# KiCad board for_real_486_rc13.kicad_pcb (continued)
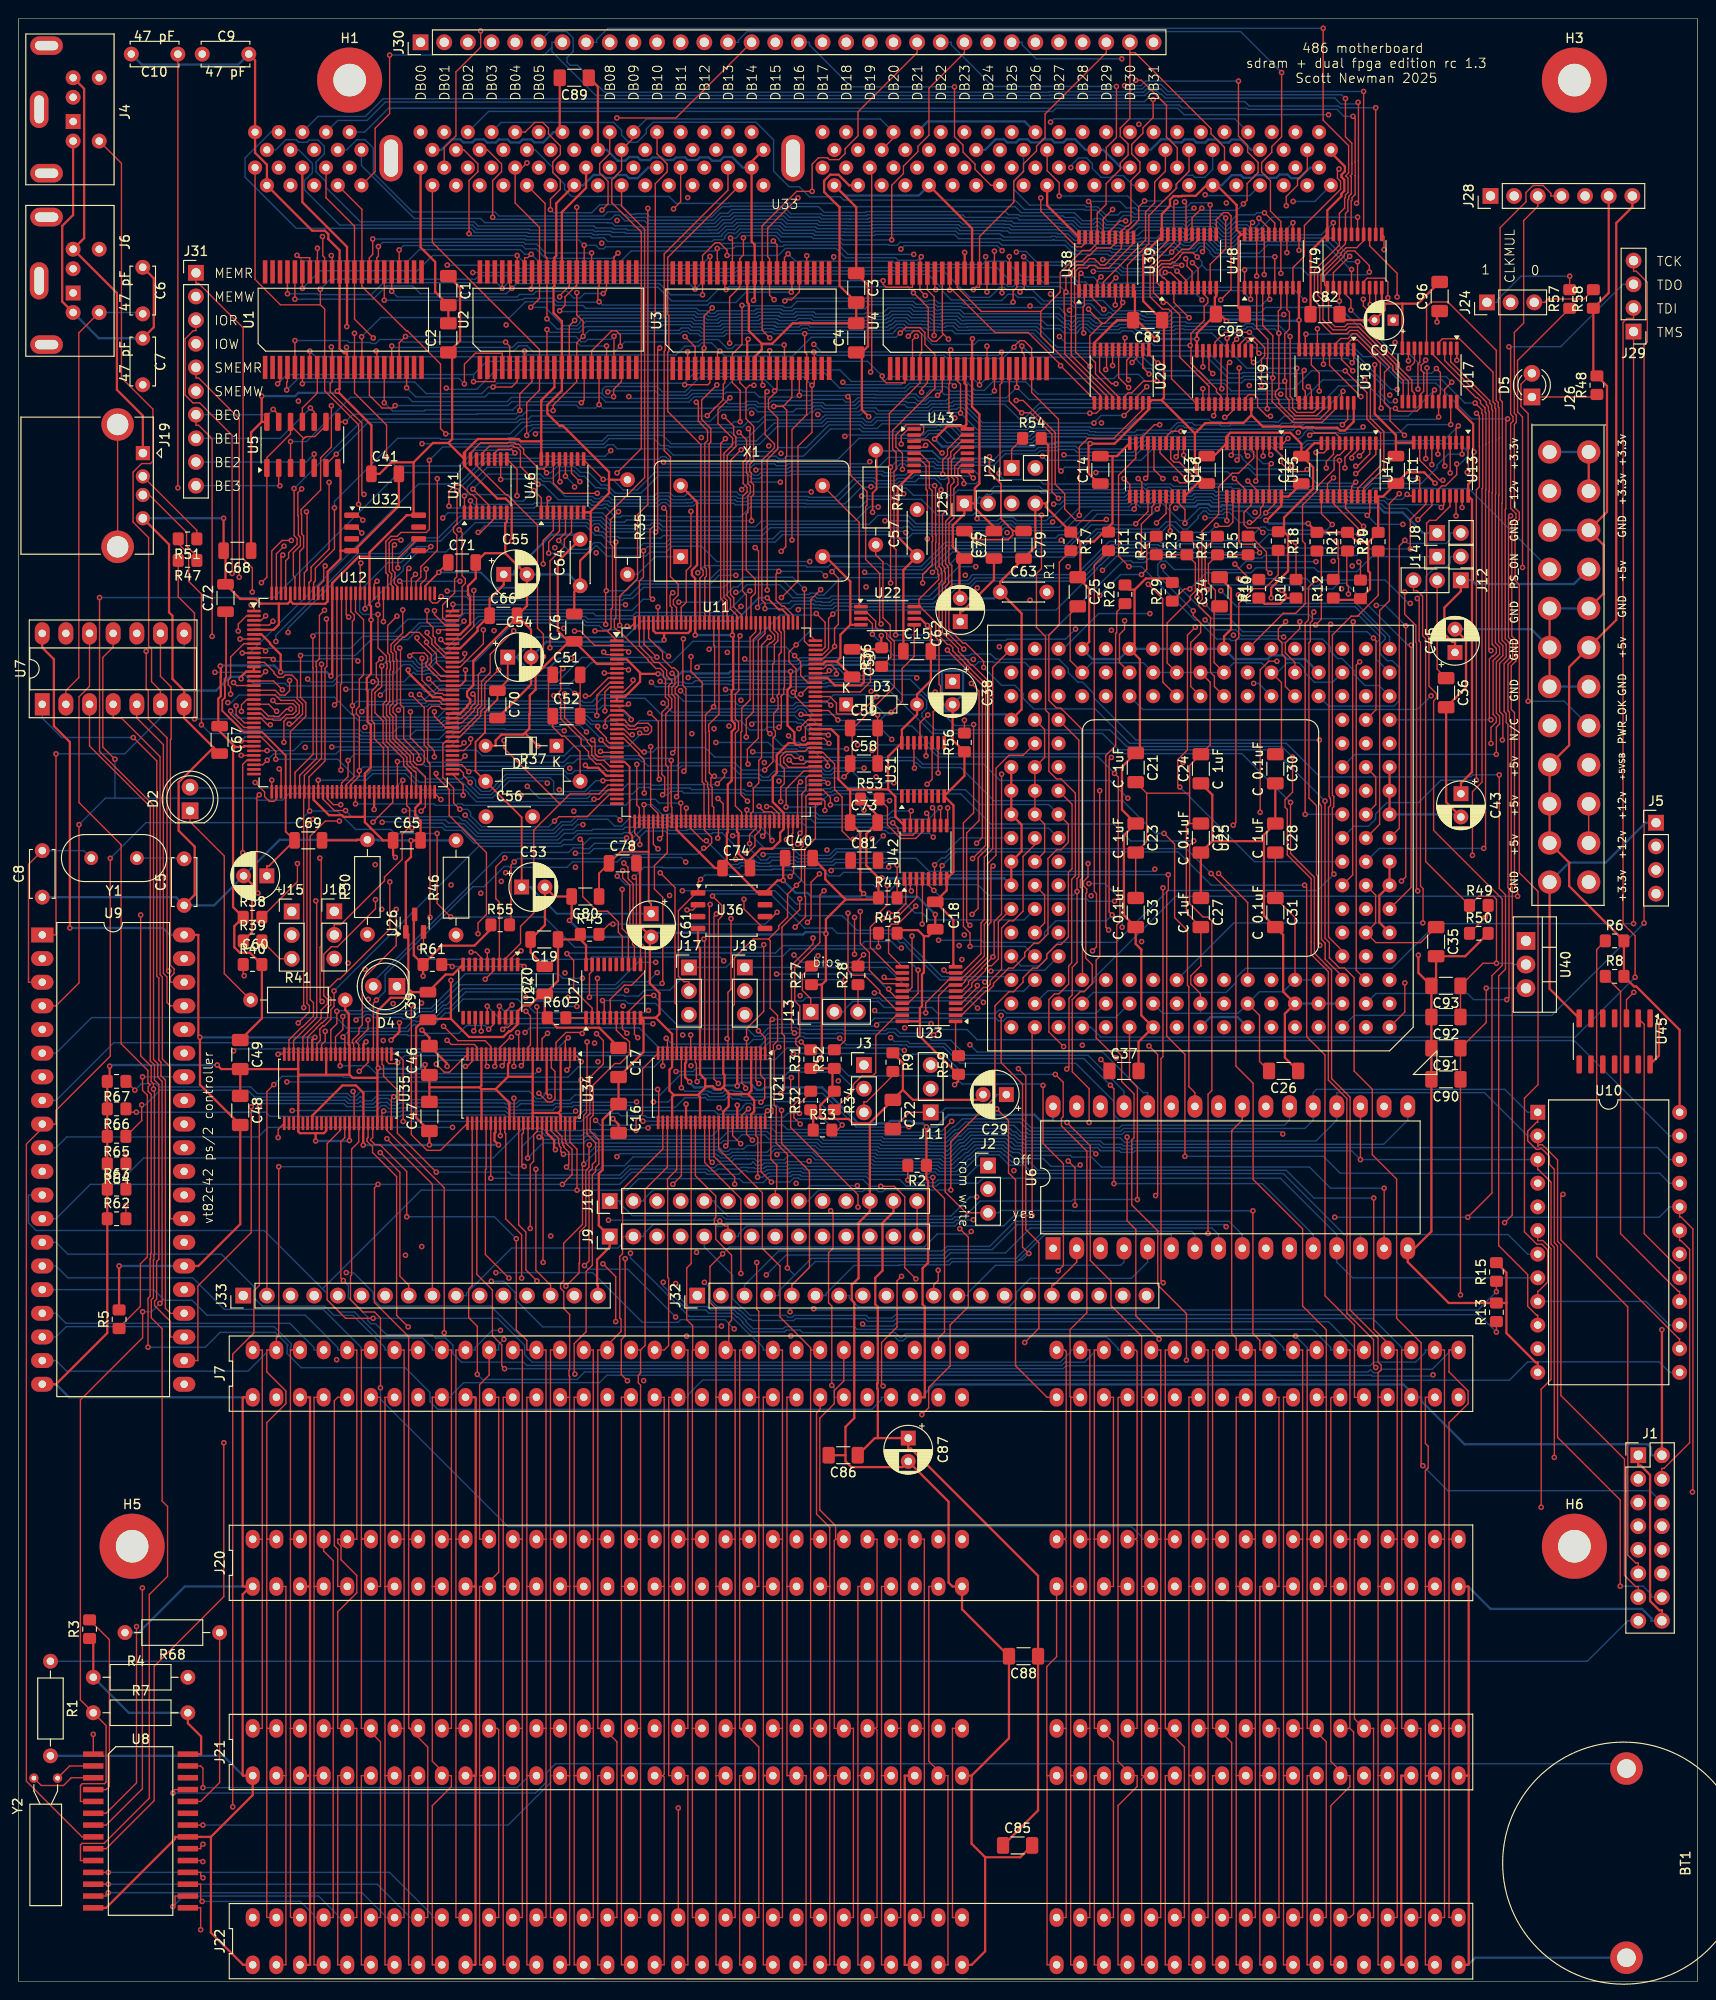
[diagram p0: board, top side]
## Routing (per net, layer and track width the routed paths; a pad name or vN(x,y) marks a point on that pad's centre or on a via; arc(x,y) is an arc through that point) (continued)
  In1.Cu w0.15: v1(59.64,125.69) 61.48,127.53 61.48,131.45 v1(58.6,134.33)
  In2.Cu w0.15: v1(59.64,125.69) 58.48,124.53 58.48,114.79 56.24,112.55 56.24,98.44 56.5,98.17 56.5,96.01 v1(55.89,95.39) ; v1(58.6,134.33) 61.48,137.21 v1(65.52,137.21)
  Bottom w0.15: v1(58.6,134.33) 58.49,134.44 52.32,134.44 52.25,134.51 47.75,134.51 47.37,134.13 46.87,134.13 45.81,133.07 36.52,133.07 36.42,133.17 30.52,133.17 29.54,132.2 v1(26.69,132.2)
x04: length 89.5
  Top w0.15: U12.29 25.23,133.23 23.89,133.23 v1(23.89,133.23) ; v1(66.01,139.77) 66.01,139.51 65,138.5 U11.12 ; U34.8 56.22,101.24 v1(56.82,101.83)
  In2.Cu w0.15: v1(56.82,101.83) 56.82,112.58 59.23,114.99 59.23,123.82 60.23,124.82 60.23,126.14 58.86,127.51 58.86,129.83 58.62,130.06 58.62,130.54 58.96,130.88 59.06,130.88 61,132.82 v1(61,134.2) 61,134.47 61.91,135.38 64.34,135.38 65.6,136.63 65.84,136.63 66.11,136.9 66.11,139.67 v1(66.01,139.77)
  Bottom w0.15: v1(61,134.2) 60.3,134.9 58.26,134.9 58.15,134.79 57.28,134.79 57.14,134.93 48.88,134.93 48.81,134.86 47.6,134.86 47.23,134.48 46.73,134.48 46.6,134.35 46.1,134.35 45.17,133.42 36.67,133.42 36.41,133.68 24.34,133.68 v1(23.89,133.23)
x05: length 83.4
  Top w0.15: U34.9 55.72,104.62 v1(55.66,104.68) ; v1(62.98,136.46) 62.98,138.5 63.49,139 U11.11 ; U12.28 26.04,133.68 27.62,132.09 v1(27.62,131.27)
  In2.Cu w0.15: v1(62.98,136.46) 62.9,136.54 61.86,136.54 58.94,133.62 58.94,131.85 57.92,130.83 57.92,129.82 v1(56.8,128.7) 56.29,128.19 56.29,122 52.94,118.65 52.94,112.17 52.97,112.14 52.97,106.82 53.9,105.9 53.9,105.3 53.99,105.21 53.99,105.11 54.04,105.06 54.11,105.12 55.22,105.12 v1(55.66,104.68)
  Bottom w0.15: v1(56.8,128.7) 56.56,128.93 52.71,128.93 50.9,127.12 49.34,127.12 47.67,128.8 43.02,128.8 41.73,130.09 37.91,130.09 37.27,129.45 36.1,129.45 34.29,131.27 v1(27.62,131.27)
x06: length 89.5
  Top w0.15: U11.10 63.49,139.5 62.12,138.14 v1(62.12,135.96) ; U12.26 24.21,134.68 22.77,136.12 v1(22.77,136.46) ; v1(54.49,104.19) 54.98,103.71 54.98,100.59 54.72,100.34 U34.11
  In1.Cu w0.15: v1(54.49,104.19) 54.49,105.68 v1(54.48,105.7)
  In2.Cu w0.15: v1(62.12,135.96) 61.92,135.96 60.42,134.46 60.42,132.75 58.9,131.23 58.81,131.23 58.27,130.69 58.27,129.35 56.64,127.72 56.64,119.68 55.17,118.21 55.17,115.08 53.39,113.3 53.39,107.23 54.48,106.14 v1(54.48,105.7)
  Bottom w0.15: v1(22.77,136.46) 23.55,135.68 36.25,135.68 36.49,135.44 45.2,135.44 45.52,135.76 46.02,135.76 46.6,136.34 57.72,136.34 57.75,136.31 61.77,136.31 v1(62.12,135.96)
x07: length 90.1
  Top w0.15: U11.9 63.34,140 61.39,138.05 v1(60.89,138.05) ; U12.25 24.25,135.18 23.36,136.07 v1(23.36,137) ; v1(54,98.36) 54.22,98.58 U34.12
  In1.Cu w0.15: v1(53.96,127.41) 48.48,127.41 48.33,127.56 48.33,127.64 47.99,127.98 47.83,127.98 45.41,130.4 44.4,130.4 44.08,130.08 37.37,130.08 31.77,135.68 28.8,135.68 28.29,136.19 28.29,136.69 27.95,137.03 27.58,137.03 27.56,137.01 23.36,137.01 v1(23.36,137)
  In2.Cu w0.15: v1(54,98.36) 51.08,101.28 51.08,102.5 51.04,102.54 51.04,105.99 51.76,106.71 51.76,108.49 51.06,109.19 51.06,109.98 51.28,110.2 51.28,111.16 51.06,111.38 51.06,115.9 51.28,116.11 51.28,117.55 51.28,117.56 51.28,119.99 51.66,120.37 51.66,120.92 51.99,121.26 52.2,121.26 53.96,123.01 v1(53.96,127.41) 54.52,127.41 56.71,129.61 56.71,133.87 v1(60.89,138.05)
x08: length 54.7
  Top w0.15: v1(27.04,134.98) 26.73,134.98 26.03,135.68 U12.24 ; U34.13 53.72,101.78 v1(53.6,101.9)
  In1.Cu w0.15: v1(51.85,118.15) 49.28,118.15 44.38,123.06 44.38,123.54 44.64,123.8 44.64,125.1 43.35,126.39 42.33,126.39 41.66,127.06 35.45,127.06 27.53,134.98 v1(27.04,134.98)
  In2.Cu w0.15: v1(53.6,101.9) 52.27,103.24 52.27,106.55 52.11,106.71 52.11,117.9 v1(51.85,118.15)
x09: length 69.7
  Top w0.15: U34.14 53.22,98.31 v1(53.2,98.28) ; U12.23 26.03,136.18 26.65,135.57 27.27,135.57 27.37,135.47 28.12,135.47 28.74,136.09 29.46,136.09 29.8,136.42 29.8,136.9 29.46,137.24 27.66,137.24 v1(27.32,137.58)
  In1.Cu w0.15: v1(52.32,119.09) 48.87,119.09 45.53,122.43 45.53,124.71 42.39,127.85 35.48,127.85 v1(30.79,132.55)
  In2.Cu w0.15: v1(27.32,137.58) 27.4,137.58 28.29,136.69 28.29,136.15 28.76,135.68 29.31,135.68 29.65,135.34 29.65,134.81 30.79,133.68 v1(30.79,132.55) ; v1(52.32,119.09) 52.52,118.88 52.52,112.1 52.62,112 52.62,106.08 53.63,105.06 53.63,104.96 53.93,104.67 54.15,104.67 54.25,104.77 54.73,104.77 55.07,104.43 55.07,98.61 54.23,97.77 53.71,97.77 v1(53.2,98.28)
x10: length 54.9
  Top w0.15: v1(51.95,98.35) 52.17,98.57 52.17,99.54 U34.16 ; v1(29.22,136.66) 28.77,136.66 27.95,135.85 27.48,135.85 27.41,135.92 26.83,135.92 26.06,136.68 U12.22
  In1.Cu w0.15: v1(43.28,105.09) 44.04,105.09 50.27,98.86 51.44,98.86 v1(51.95,98.35)
  In2.Cu w0.15: v1(29.22,136.66) 29.33,136.66 33.07,132.92 33.07,132.35 33.27,132.15 33.27,123.86 42.5,114.63 42.5,105.87 v1(43.28,105.09)
x11: length 56.7
  Top w0.15: v1(27.72,136.43) 27.62,136.43 26.86,137.18 U12.21 ; U34.17 51.72,100.33 52.82,101.43 v1(52.94,101.43)
  In1.Cu w0.15: v1(52.94,101.43) 48.45,101.43 44.21,105.66 40.87,105.66 v1(40.23,105.02)
  In2.Cu w0.15: v1(40.23,105.02) 39.37,105.88 39.37,114.69 39.65,114.97 39.65,115.98 30.22,125.42 30.22,125.54 29.51,126.25 29.51,133.77 27.98,135.3 27.98,135.37 27.72,135.64 v1(27.72,136.43)
x12: length 55.4
  Top w0.15: U12.20 24.51,137.68 23.94,137.11 v1(23.94,136.41) ; v1(45.65,102.58) 47.19,101.04 50.1,101.04 50.72,100.42 U34.19
  In1.Cu w0.15: v1(45.65,102.58) 44.69,103.54 40.89,103.54 39.45,104.98 39.45,107.28 37.36,109.37 v1(35.39,109.37)
  In2.Cu w0.15: v1(35.39,109.37) 35.39,116.79 25.66,126.52 25.47,126.52 24.92,127.07 24.92,127.26 24.48,127.7 24.48,135.86 v1(23.94,136.41)
x13: length 60.7
  Top w0.15: U34.20 50.22,98.4 v1(50.34,98.28) ; U12.19 27.57,138.18 28.16,137.59 29.61,137.59 30.15,137.05 30.15,136.28 29.61,135.73 29.42,135.73 29.36,135.68 28.83,135.68 28.5,135.34 v1(28.5,133.09)
  In1.Cu w0.15: v1(39.17,101.06) 39.77,100.45 48.17,100.45 v1(50.34,98.28)
  In2.Cu w0.15: v1(28.5,133.09) 28.58,133 28.58,126.11 29.11,125.59 29.18,125.59 29.51,125.25 29.51,124.97 36.27,118.21 36.27,104.08 36.96,103.4 36.96,103.02 38.92,101.06 v1(39.17,101.06)
x14: length 61.6
  Top w0.15: v1(29.11,139.73) 29.11,138.64 28.62,138.16 28.09,138.16 27.57,138.68 U12.18 ; v1(46.02,101.08) 46.46,100.64 48.95,100.64 49.22,100.37 U34.22
  In1.Cu w0.15: v1(46.02,101.08) 41.96,101.08 v1(37.56,105.47)
  In2.Cu w0.15: v1(37.56,105.47) 36.62,106.41 36.62,109.87 38.58,111.83 38.58,113.98 36.95,115.61 36.95,118.1 29.87,125.19 29.87,125.4 29.32,125.94 29.16,126.1 29.16,133.57 27.63,135.1 27.63,135.23 26.83,136.03 26.83,137.15 26.74,137.24 26.74,137.96 28.49,139.71 29.09,139.71 v1(29.11,139.73)
x15: length 61.2
  Top w0.15: v1(48,98.28) 48.19,98.28 48.72,98.82 U34.23 ; v1(32.35,120.65) 32.51,120.49 32.51,111.2 32.39,111.08 32.39,105.46 v1(32.6,105.25) ; U12.17 23.41,139.18 v1(23.08,139.5)
  In1.Cu w0.15: v1(48,98.28) 46.45,99.84 37.6,99.84 32.6,104.83 v1(32.6,105.25)
  In2.Cu w0.15: v1(32.35,120.65) 26.12,126.88 25.61,126.88 25.27,127.21 25.27,127.72 24.83,128.17 24.83,137.76 v1(23.08,139.5)
~{CAS}: length 107.2
  Top w0.15: U33.115 68.58,196.29 69.67,195.2 69.67,194.37 68.39,193.09 68.39,178.98 68.3,178.88 68.3,156.4 67.83,155.93 67.83,148.73 v1(68.1,148.45) ; v1(31.61,144.49) 31.61,141.1 31.64,141.07 31.64,131.8 29.69,129.86 U12.42
  Bottom w0.15: v1(68.1,148.45) 67.09,148.45 65.91,147.27 64.47,147.27 64.42,147.33 46.73,147.33 45.7,146.3 41.81,146.3 40.33,144.82 31.94,144.82 v1(31.61,144.49)
~{RAS}: length 96
  Top w0.15: v1(62.66,190.26) 63.32,190.91 63.32,193.33 62.42,194.23 62.42,195.25 63.5,196.33 U33.111 ; v1(32.86,147.28) 32.31,146.73 32.31,142.07 31.96,141.72 31.96,141.24 32,141.2 32,131.35 30.19,129.53 U12.43
  In1.Cu w0.15: v1(62.66,190.26) 59.96,187.55 59.96,185.88 55.03,180.94 41.69,180.94 37.47,176.73 37.47,176.45 30.75,169.73 v1(30.06,169.73)
  In2.Cu w0.15: v1(32.86,147.28) 31.85,148.28 31.85,163.09 31.17,163.77 31.17,166.07 30.06,167.19 v1(30.06,169.73)
~{RESET}: length 119.4
  In1.Cu w0.15: J16.1 35.04,114.94 35.41,114.56 40.8,114.56 41.16,114.92 63.3,114.92 68.03,110.19 75.98,110.19 76.88,109.29 76.88,108.91 J18.1
  In2.Cu w0.15: J16.1 33.91,117.58 20.8,130.7 20.8,136.61 13.97,143.44 13.46,143.44 13.34,143.31 12.7,143.31 U7.10
  Bottom w0.15: U25.C16 107.97,106.36 95.8,106.36 93.26,108.91 J18.1
Net-(BT1-+): length 160.1
  Top w0.15: U8.25 16.8,20.6 16.58,20.37 v1(16.58,20.23)
  Bottom w0.15: v1(16.58,20.23) 55.53,20.23 56.72,21.42 56.72,22.42 57.67,23.37 172.21,23.37 BT1.1
Net-(D1-K): length 38.5
  Top w0.15: U12.108 46.66,147.23 v1(46.66,147.91)
  In2.Cu w0.15: D1.1 57.78,134.35 58.69,135.25 59.03,135.25 66.14,142.37 66.14,146.92 v1(65.19,147.87)
  Bottom w0.15: v1(46.66,147.91) 46.7,147.87 v1(65.19,147.87)
Net-(D2-K): length 23
  Top w0.15: D2.1 18.41,124.55 22.09,120.88 22.09,108.24 R41.1
Net-(D3-K): length 19.6
  Top w0.15: U11.108 85.12,144.48 85.12,148.44 v1(86.16,149.49)
  In2.Cu w0.15: v1(86.16,149.49) 88.89,146.75 D3.1
Net-(D4-K): length 8.8
  In1.Cu w0.15: D4.1 41.82,106.88 41.82,107.22 R46.1
Net-(D5-A): length 43.6
  Top w0.15: D5.2 161.38,171.54 161.38,169.17 162.16,168.39 v1(162.16,137.5)
  Bottom w0.15: J26.8 166.04,137.5 v1(162.16,137.5)
Net-(D5-K): length 7.1
  Top w0.15: R48.1 169.27,170.18 D5.1
Net-(J1-Pin_15): length 172.4
  Bottom w0.15: J1.15 172.86,38.73 168.52,34.39 R1.1
Net-(J2-Pin_1): length 11.1
  Top w0.15: R2.2 v1(95.52,86.06)
  Bottom w0.15: J2.1 103.01,87.63 101.46,86.08 98.75,86.08 98.45,85.78 95.8,85.78 v1(95.52,86.06)
Net-(J2-Pin_2): length 14.1
  In1.Cu w0.15: 113.67,93.98 113.67,92.43 106.32,85.09 J2.2
Net-(J3-Pin_3): length 5.8
  Top w0.15: J3.3 90.8,94.47 91.09,94.47 93.91,97.3 R9.2
Net-(J5-Pin_4): length 14.7
  Top w0.15: U45.3 172.72,105.44 v1(173.51,106.24)
  In2.Cu w0.15: J5.4 175.89,108.62 v1(173.51,106.24)
Net-(J8-Pin_2): length 39.7
  Top w0.15: U25.J1 148.31,123.84 148.31,154.18 v1(148.92,154.79)
  Bottom w0.15: J8.2 153.8,155.57 153.8,154.87 153.38,154.45 149.26,154.45 v1(148.92,154.79)
Net-(J9-Pin_3): length 96.1
  Top w0.15: R15.1 v1(158.75,74.09)
  In1.Cu w0.15: J9.3 69.71,80.01 69.71,79.73 72.81,76.63 78.39,76.63 78.74,76.28 79.89,76.28 80.09,76.47 81.89,76.47 84.33,74.03 84.33,73.33 v1(85.4,72.25)
  Bottom w0.15: v1(85.4,72.25) 85.54,72.11 156.77,72.11 v1(158.75,74.09)
Net-(J9-Pin_5): length 93.1
  Top w0.15: R13.1 v1(158.75,69.74)
  Bottom w0.15: v1(158.75,69.74) 156.89,71.61 94.19,71.61 93.83,71.25 91.33,71.25 91.04,71.53 83.31,71.53 83.11,71.34 82.63,71.34 82.44,71.53 78.57,71.53 77.69,72.41 77.61,72.41 76.71,73.32 76.71,75.84 73.66,78.88 J9.5
Net-(J11-Pin_2): length 71.5
  In1.Cu w0.15: v1(101.04,111.26) 101.27,111.26 103.93,113.92 109.44,113.92 110.67,115.15 110.67,115.69 111.21,116.23 112.76,116.23 113.02,115.97 116.54,115.97 138.3,137.73 138.3,141.77 U25.S4
  In2.Cu w0.15: v1(101.04,111.26) 100.5,110.72 100.5,99.26 98.26,97.01 97.98,97.01 J11.2
Net-(J13-Pin_1): length 5.7
  Top w0.15: J13.1 85.09,105.55 84.19,106.46 84.19,108.08 R27.2
Net-(J13-Pin_3): length 2.9
  Top w0.15: J13.3 R28.1
Net-(J14-Pin_1): length 30.8
  Top w0.15: v1(125.83,149.56) 125.24,149.56 R29.1
  Bottom w0.15: J14.1 145.36,153.03 143.75,151.42 139.6,151.42 139.18,151.83 132.93,151.83 132.4,151.3 127.57,151.3 v1(125.83,149.56)
Net-(J14-Pin_2): length 71.9
  Top w0.15: v1(150.85,113.69) 150.87,113.72 150.87,117.37 150.59,117.65 150.59,143.84 150.45,143.98 150.45,148.33 v1(150.24,148.54)
  Bottom w0.15: v1(150.24,148.54) 151.19,149.48 151.19,150.92 152.17,151.91 153.38,151.91 153.8,152.33 153.8,153.03 J14.2 ; U25.C10 130.54,113.69 v1(150.85,113.69)
Net-(J15-Pin_1): length 10.4
  Top w0.15: v1(24.23,108.02) 24.13,108.11 R40.1
  In2.Cu w0.15: v1(24.23,108.02) 24.23,108.97 29.06,113.79 29.34,113.79 J15.1
Net-(J15-Pin_3): length 4
  Top w0.15: J15.3 28.05,109.84 R39.2
Net-(J17-Pin_1): length 22.8
  Top w0.15: R45.1 v1(92.37,111.11)
  Bottom w0.15: v1(92.37,111.11) 92.16,110.9 82.87,110.9 82.08,110.1 77.05,110.1 76.88,109.94 76.88,109.82 75.97,108.91 J17.1
Net-(J17-Pin_3): length 40.6
  Top w0.15: R44.2 v1(94.37,119.89)
  In2.Cu w0.15: v1(77.03,120.53) 75.96,119.47 75.96,116.49 74.36,114.88 74.36,107.02 72.29,104.95 72.01,104.95 J17.3
  Bottom w0.15: v1(94.37,119.89) 93.99,120.27 93.22,120.27 93.11,120.17 87.78,120.17 87.51,119.89 83.47,119.89 83.3,120.06 82.32,120.06 81.97,120.42 80.95,120.42 80.67,120.13 80.53,120.13 80.51,120.11 79.59,120.11 79.53,120.17 79.32,120.17 78.95,120.53 v1(77.03,120.53)
Net-(J19-D+): length 9.8
  Top w0.15: J19.3 14.05,159.65 18.04,155.66 18.04,154.17 19.14,153.06 R47.1
Net-(J19-D-): length 9.1
  Top w0.15: J19.2 19.14,155.86 R51.1
Net-(J20-IO): length 66.1
  Top w0.15: J20.32 26.17,47.5 ; 26.17,47.5 26.17,27.18 J21.32 ; 26.17,47.5 26.17,67.82 J7.32
  In2.Cu w0.15: J21.32 26.17,27.18 26.17,6.86 J22.32
Net-(J20-LA17): length 65.7
  Top w0.15: J20.88 128.26,47.5 ; 128.26,47.5 128.26,47.5 128.26,27.18 128.77,27.18 ; 128.26,47.5 128.26,67.82 J7.88 ; 128.77,27.18 J21.88 ; 128.77,27.18 130.31,25.64 130.31,6.86 J22.88
Net-(J20-LA18): length 65.1
  Top w0.15: J7.87 127.77,67.82 127.77,47.5 ; 127.77,27.18 127.77,6.86 J22.87 ; 127.77,27.18 J21.87 ; 127.77,27.18 127.77,47.5 ; 127.77,47.5 J20.87
Net-(J20-LA19): length 65.9
  Top w0.15: J22.86 125.23,6.86 125.23,25.17 123.22,27.18 ; 123.18,47.5 123.18,67.82 J7.86 ; 123.18,47.5 123.18,47.5 123.18,27.18 123.22,27.18 ; 123.18,47.5 J20.86 ; 123.22,27.18 J21.86
Net-(J20-OSC): length 66.9
  Top w0.15: J22.30 99.83,1.78 99.83,22.1 99.32,22.1 ; J21.30 99.32,22.1 ; 99.32,22.1 97.78,23.64 97.78,42.42 J20.30
  In2.Cu w0.15: J7.30 97.78,62.74 97.78,61.44 97.96,61.26 97.96,60.49 97.78,60.32 97.78,42.42 J20.30
Net-(J20-RESET): length 66.1
  Top w0.15: 28.71,22.1 28.71,42.42 J20.2 ; 28.71,22.1 28.71,1.78 J22.2 ; 28.71,22.1 J21.2
  In2.Cu w0.15: J7.2 26.66,62.74 26.66,42.42 J20.2
Net-(J24-Pin_1): length 11.7
  Top w0.15: v1(166.62,183.15) R57.2
  Bottom w0.15: v1(166.62,183.15) 161.39,183.15 158.86,180.62 158.86,180.34 J24.1
Net-(J24-Pin_2): length 72.7
  In1.Cu w0.15: U25.R17 107.9,141.86 107.9,143.33 114.04,149.46 121.57,149.46 123.06,150.95 123.33,150.95 123.75,151.38 123.75,151.47 127.06,154.77 127.86,154.77 129.24,156.15 129.24,156.63 129.18,156.69 129.18,157.22 129.4,157.45 129.52,157.45 129.55,157.48 130.65,157.48 136.53,163.36 136.81,163.36 141.12,167.67 141.12,167.97 143.95,170.8 144.22,170.8 145.14,171.71 152.97,171.71 160.27,179.02 J24.2
Net-(J24-Pin_3): length 6.9
  Top w0.15: R58.2 168.16,180.7 164.31,180.7 163.94,180.34 J24.3
Net-(J25-Pin_2): length 68.4
  Bottom w0.15: J26.16 155.8,160.34 151.92,160.34 151.88,160.38 145.52,160.38 144.9,159.76 143.11,159.76 143,159.87 131.12,159.87 130.99,160 130.23,160 130.22,160.01 130.14,160.01 130.14,160.01 128.67,160.01 128.63,159.96 128.44,160.14 126.13,160.14 125.86,159.87 123.76,159.87 123.49,160.14 123.14,160.14 123.14,160.14 121.49,160.14 121.23,159.87 120.93,159.87 120.67,160.14 119.29,160.14 119.28,160.13 119.01,160.13 118.76,159.87 109.87,159.87 109.52,160.22 105.75,160.22 105.41,159.88 104.63,159.88 104.43,159.69 104.14,159.69 104.07,159.76 104.01,159.76 103.6,159.35 103.31,159.35 103.24,159.42 103.17,159.42 103.01,159.26 103.01,158.75 J25.2
Net-(J27-Pin_1): length 3.7
  Top w0.15: R54.1 106.67,164.56 J27.1
Net-(J29-Pin_1): length 126.7
  Top w0.15: J29.1 v1(173.48,113.62)
  Bottom w0.15: v1(173.48,113.62) 152.33,113.62 147.52,108.81 131.79,108.81 130.76,107.79 130.76,107.27 129.71,106.22 115.45,106.22 U25.B14
Net-(J29-Pin_2): length 135.8
  Top w0.15: J29.2 173.48,178.62 172.78,178.62 172.36,178.19 172.36,113.6 173.65,112.31 v1(173.65,107.85)
  Bottom w0.15: U25.A14 115.19,102.49 116.25,101.42 167.22,101.42 v1(173.65,107.85)
Net-(J29-Pin_3): length 133.5
  Top w0.15: v1(160.09,175.57) 160.28,175.39 160.28,168.33 160.54,168.07 160.54,167.59 160.28,167.33 160.28,158.22 160.51,157.99 160.85,157.65 160.85,157.17 160.51,156.83 160.4,156.72 160.4,144.5 160.85,144.05 160.85,141.82 160.34,141.31 160.34,136.63 160.69,136.28 160.69,117.77 161.03,117.43 v1(161.03,116.55)
  Bottom w0.15: v1(161.03,116.55) 124.31,116.55 115.52,107.77 115.52,107.36 114.56,106.4 110.55,106.4 U25.B16 ; J29.3 172.36,182.28 165.65,175.57 v1(160.09,175.57)
Net-(J29-Pin_4): length 109.1
  Top w0.15: v1(174.61,113.67) 174.61,175.74 174.96,176.09 174.96,182.5 173.76,183.7 173.48,183.7 J29.4
  Bottom w0.15: v1(174.61,113.67) 164.69,103.76 143.46,103.76 U25.A3
Net-(U1-~{CE}): length 6.5
  Top w0.15: U1.8 32.08,170.6 30.48,169 U5.11
Net-(U2-~{CE}): length 25.2
  Top w0.15: v1(53.84,168.73) 53.84,170.51 55.16,171.83 U2.8 ; U5.8 v1(35.09,167.51)
  Bottom w0.15: v1(53.84,168.73) 53.82,168.73 53.47,168.38 49.29,168.38 49.24,168.33 35.91,168.33 v1(35.09,167.51)
Net-(U3-~{CE}): length 49.4
  Top w0.15: v1(34.12,164.04) 33.02,162.94 U5.6 ; v1(73.98,168.17) 75.69,169.89 75.69,171.55 75.87,171.73 U3.8
  Bottom w0.15: v1(73.98,168.17) 73.94,168.13 55.09,168.13 54.76,167.8 54.22,167.8 54.22,167.8 53.88,167.8 53.53,167.45 37.53,167.45 v1(34.12,164.04)
Net-(U4-~{CE}): length 79.7
  Top w0.15: v1(98.72,170.35) 99.22,170.86 U4.8 ; U5.3 v1(29.21,165.39)
  Bottom w0.15: v1(29.21,165.39) 30.92,165.39 35.67,170.15 41.83,170.15 42.3,169.68 52.48,169.68 52.95,170.15 62.56,170.15 63.07,169.64 72.02,169.64 72.22,169.84 72.22,169.86 72.56,170.2 75.48,170.2 76.21,169.47 77.99,169.47 78.21,169.7 79.28,169.7 79.51,169.47 80.61,169.47 80.91,169.77 85.02,169.77 85.18,169.93 88.56,169.93 88.84,169.64 89.7,169.64 90.15,170.09 91.8,170.09 91.81,170.09 92,170.09 92.03,170.06 95.59,170.06 95.66,170.13 96.24,170.13 96.62,169.76 97.38,169.76 97.76,170.13 98.5,170.13 v1(98.72,170.35)
Net-(U8-Vout): length 14.8
  Top w0.15: U8.1 v1(8.02,26.53)
  In1.Cu w0.15: R4.2 14.15,32.66 v1(8.02,26.53)
Net-(U8-X1): length 4.4
  Top w0.15: Y2.2 5.48,23.14 U8.2
Net-(U8-X2): length 7.1
  Top w0.15: U8.3 5.65,21.87 4.82,21.04 2.44,21.04 Y2.1
Net-(U8-~{KS}): length 20.4
  Top w0.15: R68.1 21.59,21.36 19.56,19.33 U8.24
Net-(U8-~{RST}): length 20.6
  Top w0.15: U8.4 9.4,20.6 9.75,20.95 9.75,36.7 R3.2
Net-(U9-KBCO): length 35.4
  Top w0.15: U9.37 16.3,104.78 15.94,105.14 15.94,107.88 15.55,108.28 15.55,132.84 12.7,135.69 U7.5
Net-(U9-KBDO): length 39.8
  Top w0.15: U7.9 15.23,140.18 16.38,139.03 16.38,133.44 16.3,133.36 16.3,109.15 16.7,108.75 16.7,108.28 16.3,107.88 16.3,107.32 U9.38
Net-(U9-P22/MSDO): length 73.4
  Top w0.15: U9.23 16.3,69.22 16.3,70.89 14.6,72.59 14.6,73.06 14.83,73.29 14.83,77.33 15.07,77.56 15.07,96.34 14.59,96.81 14.59,98.43 14.14,98.88 14.14,126.17 7.61,132.69 U7.3
Net-(U9-P23/MSCO): length 77.1
  Top w0.15: U9.24 16.3,71.76 15.77,72.29 15.77,96.81 15.29,97.28 15.29,98.72 15.07,98.95 15.07,107.76 14.84,107.98 14.84,131.08 v1(12.32,133.6)
  Bottom w0.15: U7.1 2.53,135.69 4.63,133.6 v1(12.32,133.6)
Net-(U9-xtal_1): length 21.3
  In1.Cu w0.15: Y1.1 12.19,120.66 4.02,112.48 4.02,109.86 U9.2
  Bottom w0.15: Y1.1 17.7,120.66 C5.2
Net-(U9-xtal_2): length 21.8
  Top w0.15: C8.2 1.06,119.98 1.06,107.76 1.06,107.32 1.06,107.32 U9.3
  Bottom w0.15: Y1.2 7,121.45 C8.2
Net-(U9-~{KBD-INH}): length 33
  Top w0.15: R5.1 10.8,70.22 13.08,72.5 13.08,77.07 13.83,77.82 13.83,95.19 13.31,95.71 v1(13.31,97.16)
  Bottom w0.15: U9.34 v1(13.31,97.16)
Net-(U10-G1): length 47.9
  Top w0.15: U10.14 178.43,69.03 178.36,69.03 169.53,77.86 169.53,110.84 R6.1
Net-(U10-G2): length 38.3
  Top w0.15: R8.1 172.09,106.31 172.09,80.32 178.3,74.11 178.43,74.11 U10.16
Net-(U10-OUT2): length 29.8
  Top w0.15: U45.2 174.62,102.8 174.62,80.32 178.3,76.65 178.43,76.65 U10.17
Net-(U11E-GNDPLL0): length 45.4
  Top w0.15: U11.53 74.12,124.65 74.12,128.14 74.02,128.24 74.02,128.74 73.8,128.96 73.8,134.15 73.78,134.17 73.78,136.03 v1(74.66,136.91) 74.77,137.02 74.77,143.44 74.68,143.52 U11.127 ; v1(92.28,136.03) 92.28,136.03 C59.2 C58.2
  Bottom w0.15: v1(92.28,136.03) 92.23,136.07 85.37,136.07 84.43,137.01 83.66,137.01 83.33,136.68 81.39,136.68 81.39,136.68 74.88,136.68 v1(74.66,136.91)
Net-(U11E-IOB_105_SDO): length 20.6
  Top w0.15: U36.5 80.01,113.1 77.92,115.19 v1(77.92,116.22) ; U11.67 81.18,125.34 80.9,125.61 80.08,125.61 79.55,126.14 v1(79.55,126.22)
  In1.Cu w0.15: v1(79.55,126.22) 80.1,126.77 80.58,126.77 80.94,126.41 80.94,126.32 81.52,125.75 81.52,119.82 v1(77.92,116.22)
Net-(U11E-IOB_106_SDI): length 18.9
  Top w0.15: v1(80.35,126.19) 80.89,126.19 81.68,125.4 U11.68 ; v1(71.8,115.08) 72.43,115.08 U36.2
  In1.Cu w0.15: v1(80.35,126.19) 80.35,125.69 74.45,119.8 74.16,119.8 74.09,119.87 74.03,119.87 73.84,119.68 73.84,117.13 v1(71.8,115.08)
Net-(U11E-IOB_107_SCK): length 31.9
  Top w0.15: U36.6 81.01,114.37 v1(81.48,114.84) ; v1(63.84,113.56) 63.44,113.56 R43.2 ; v1(82.49,122.64) 82.68,122.83 U11.70
  In2.Cu w0.15: v1(81.48,114.84) 81.48,121.63 v1(82.49,122.64)
  Bottom w0.15: v1(81.48,114.84) 80.2,113.56 v1(63.84,113.56)
Net-(U11E-VCC_SPI): length 39.3
  Top w0.15: U11.72 83.68,128.51 v1(83.99,128.83)
  In1.Cu w0.15: C63.2 106.56,145.33 105.19,145.33 103.65,143.79 103.04,143.79 102.11,142.87 102.11,142.85 101.77,142.51 101.76,142.51 101.35,142.11 97.77,142.11 92.74,137.08 92.25,137.08 84,128.83 v1(83.99,128.83)
Net-(U11E-VCCPLL0): length 65.2
  Top w0.15: 74.56,129.44 74.37,129.26 74.37,128.39 74.5,128.26 74.5,126.27 74.68,126.09 U11.54 ; 74.56,129.44 74.19,129.81 74.19,134.26 74.13,134.31 74.13,135 75.23,136.1 75.23,145.87 U11.126 ; 74.56,129.44 v1(74.73,129.44) ; v1(88.68,129.38) 89.33,130.03 C58.1 89.54,131.02 89.54,134.41 C59.1 89.65,134.62 94.06,139.04 94.06,143.95 93.63,144.38 93.63,145.69 92.85,146.47 92.85,152.46 92.08,153.23 R42.2
  Bottom w0.15: v1(88.68,129.38) 88.56,129.26 86.38,129.26 86.2,129.44 81.97,129.44 81.91,129.5 81.24,129.5 80.73,128.99 79.76,128.99 79.48,129.27 74.91,129.27 v1(74.73,129.44)
Net-(U12E-GNDPLL0): length 51.9
  Top w0.15: U12.127 35.69,147.12 35.69,147.12 36.05,146.76 36.05,146.28 35.86,146.09 v1(35.86,137.03) 35.86,136.08 36.02,135.91 36.02,129.37 35.19,128.54 U12.53 ; 60.31,138.34 v1(59.74,138.34) ; 60.31,138.34 60.31,135.9 60.33,135.89 ; 60.31,138.34 60.33,138.35 60.33,140.33
  Bottom w0.15: v1(59.74,138.34) 59.2,138.87 45.37,138.87 44.68,138.18 44.12,138.18 43.59,137.65 40.58,137.65 40.41,137.48 36.31,137.48 v1(35.86,137.03)
Net-(U12E-IOB_105_SDO): length 36.3
  Top w0.15: U12.67 42.19,129.77 41.37,130.59 41.37,131.31 39.5,133.17 39.5,135.53 39.16,135.87 39.16,137.23 39.5,137.57 39.5,140.96 39.58,141.04 39.58,141.52 39.5,141.6 39.5,142.33 38.6,143.23 v1(38.6,146.82) ; U32.5 43.84,153.67 v1(44.28,154.11)
  Bottom w0.15: v1(38.6,146.82) 36.98,146.82 36.63,147.17 36.63,149.34 39.7,152.4 41.07,152.4 42.79,154.11 v1(44.28,154.11)
Net-(U12E-IOB_106_SDI): length 32.8
  Top w0.15: U32.2 36.23,156.21 v1(36.87,155.58) ; v1(40.65,146.64) 39.65,145.64 39.65,142.68 39.86,142.48 39.86,141.74 39.94,141.66 39.94,140.89 39.86,140.81 39.86,137.42 39.52,137.08 39.52,136.02 39.86,135.68 39.86,133.32 41.72,131.46 41.72,130.74 42.47,129.99 42.57,129.99 42.69,129.87 U12.68
  In2.Cu w0.15: v1(36.87,155.58) 37.34,155.1 37.34,149.94 v1(40.65,146.64)
Net-(U12E-IOB_107_SCK): length 56.4
  Top w0.15: v1(41.26,147.31) 41.26,144.85 40.01,143.59 40.01,142.82 40.21,142.62 40.21,141.89 40.29,141.81 40.29,140.75 40.21,140.67 40.21,137.28 39.87,136.93 39.87,136.16 40.21,135.82 40.21,133.46 42.07,131.6 42.07,130.88 42.61,130.34 42.74,130.34 43.69,129.39 U12.70 43.69,126.15 v1(43.23,125.69) ; v1(29.95,120.07) 29.95,118.12 R38.2 ; U32.6 42.83,154.94 40.74,152.85 v1(40.74,151.82)
  In1.Cu w0.15: v1(41.26,147.31) 40.35,148.22 40.35,151.43 v1(40.74,151.82) ; v1(29.95,120.07) 37.61,120.07 43.23,125.69 v1(43.23,125.69)
Net-(U12E-VCC_SPI): length 11.7
  Top w0.15: v1(45.36,126.94) 44.69,127.61 U12.72
  In1.Cu w0.15: C56.2 53.48,126.82 45.48,126.82 v1(45.36,126.94)
Net-(U12E-VCCPLL0): length 62.3
  Top w0.15: U12.126 36.19,147.12 37.05,146.25 37.05,140.34 36.6,139.89 36.6,136.94 36.28,136.63 36.28,136.15 36.6,135.83 v1(36.6,130.03) 36.6,129.45 35.69,128.54 U12.54 ; 60.33,128.91 60.33,129.98 60.31,130 60.31,132.09 58.64,133.75 58.37,133.75 57.38,134.74 C52.1 56.92,136.35 56.92,139.88 C51.1
  Bottom w0.15: v1(36.6,130.03) 37.01,130.44 42.51,130.44 43.8,129.15 47.61,129.15 47.81,129.35 48.75,129.35 49.09,129.01 49.09,128.46 49.72,127.83 50.61,127.83 51.24,128.46 51.24,128.54 52.34,129.64 58.52,129.64 59.25,128.91 60.33,128.91
Net-(U13-A->B): length 21.2
  Top w0.15: R10.2 144.14,152.28 v1(143.97,152.46) ; v1(155.62,162.08) 155.71,162.18 155.71,165.28
  In1.Cu w0.15: v1(155.62,162.08) 151.12,157.59 150.08,157.59 149.74,157.25 149.74,156.71 145.49,152.46 v1(143.97,152.46)
Net-(U14-A->B): length 16.8
  Top w0.15: U14.1 145.8,164.02 143.73,161.95 v1(143.64,161.95) ; v1(141.51,154.7) 141.74,154.48 141.74,152.85 141.8,152.78 141.8,151.16 R12.2
  In2.Cu w0.15: v1(143.64,161.95) 142.94,161.25 142.94,156.13 v1(141.51,154.7)
Net-(U15-A->B): length 16.8
  Top w0.15: v1(137.14,154.57) 137.22,154.49 R14.2 ; U15.1 135.85,165.22 v1(136.35,165.72)
  In2.Cu w0.15: v1(137.14,154.57) 136.31,155.4 136.31,161.76 135.84,162.24 135.84,165.21 v1(136.35,165.72)
Net-(U16-A->B): length 18.5
  Top w0.15: v1(130.65,152.23) 132.29,150.59 R16.2 ; 125.21,165.22 125.15,165.15 v1(125.15,163.94)
  In2.Cu w0.15: v1(130.65,152.23) 128.03,154.86 128.03,161.06 v1(125.15,163.94)
